# Altium PCB Shaheen.PcbDoc (part 4 of 4) (continued)
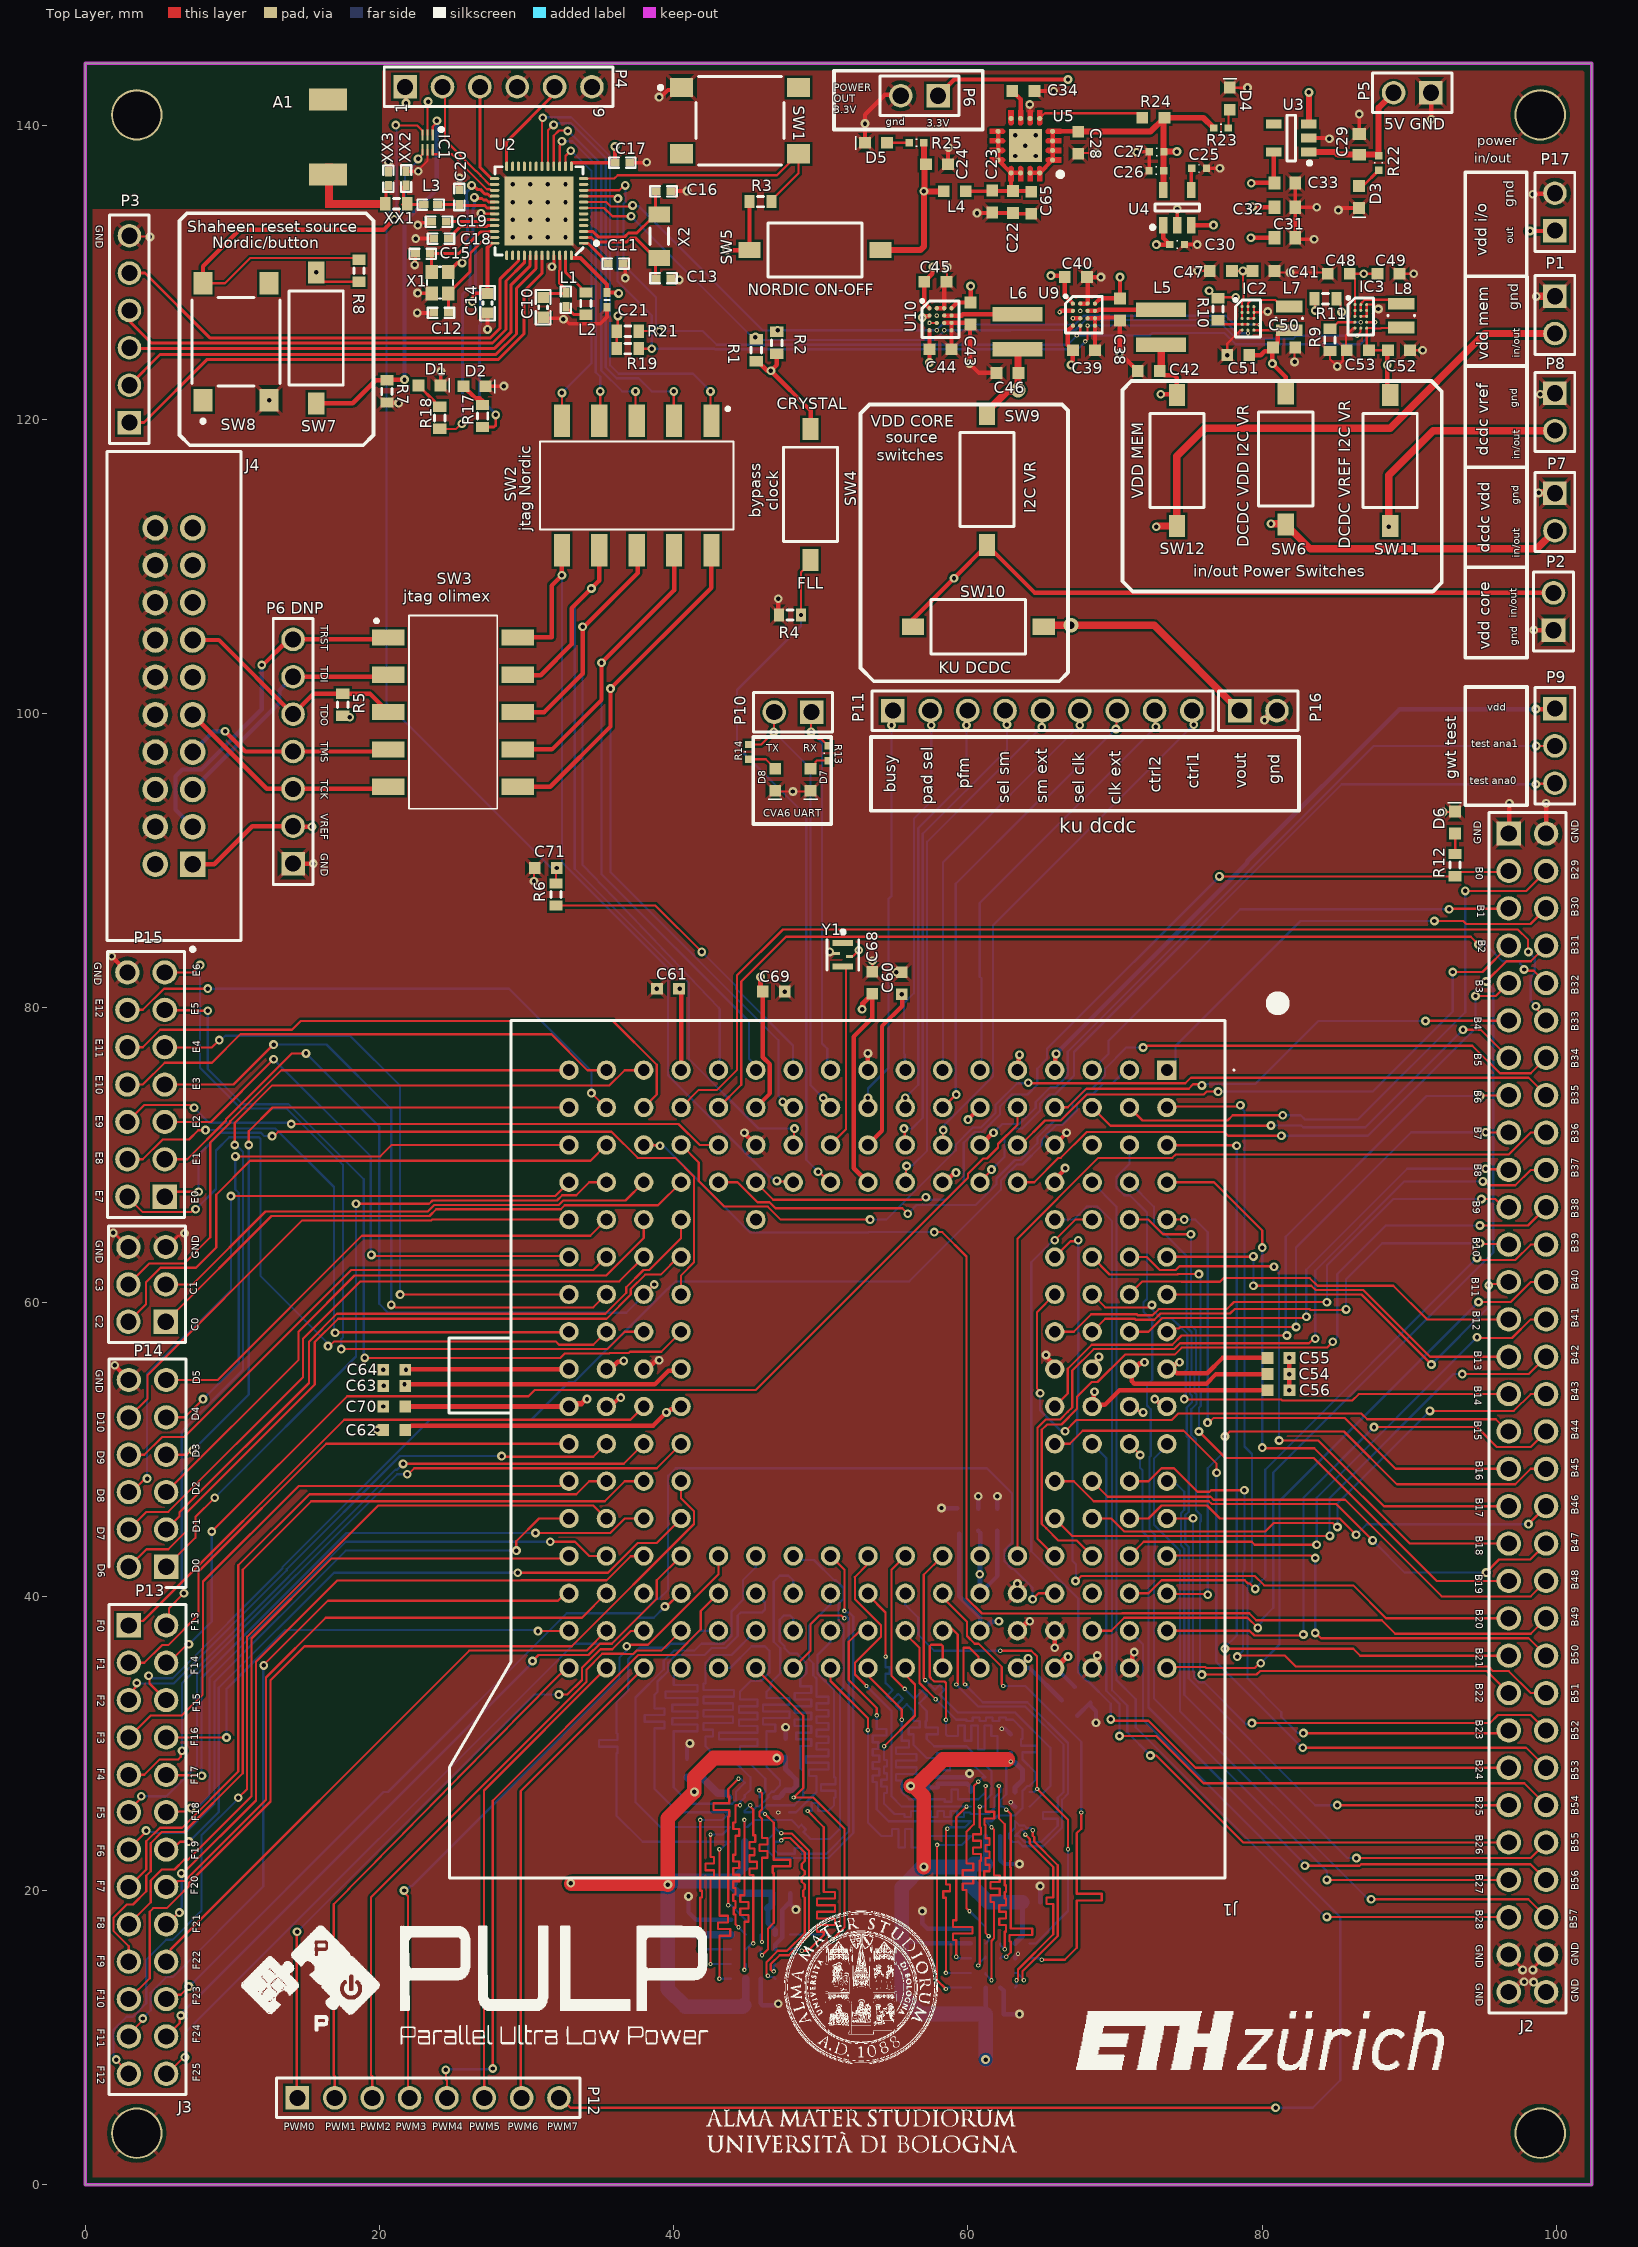
[diagram p0: Top Layer view]
## Nets (pads, with @x,y where several pads share a name; then routed paths per layer and width w, separated by ;. In a path a pad name is that pad's centre, name@x,y a point inside that pad or via, vN(x,y) a via of type N, cw(c..) or ccw(c..) an arc to the next point about the centre after c; other vN are vias at no path point) (continued)
  Bottom Layer w0.5: 39.6,16.7 40.145,17.245 40.97,17.245 C8.2@41,17.275 41.275,17 U8.E4@43.9,17 ; v1(41.4,26.7) 41.4,27.2 C5.2@40.9,27.7 41.9,27.7 43,26.6 43.54,26.6 ; 43.917,20.305 44.421,19.8 C9.2@46.675,19.8 46.675,19.075 46.4,18.8 ; 43.917,20.642 C4.2@44.675,21.4 44.825,21.55 U7.D1@44.825,23.316 ; C7.2@44.9,12.325 U8.D1@44.9,14 ; v1(56.1,27.1) 57.2,27.1 C35.2@57.3,27
  Bottom Layer w1: 43.917,20.642 39.842,20.642 v1(39.6,20.4) 39.6,16.7 39.6,13.3 40.8,12.1 44.675,12.1 C7.2@44.775,12.2 ; 60.376,21.8 C37.2@61.2,21.8 ; C1.2@61.175,11.6 56.8,11.6 55.5,12.9 55.5,20.2 56.9,21.6 v1(57,21.6) 60.1,21.6 60.1,20.474 61.374,19.2 C3.2@63.675,19.2 ; v1(61.2,8.5) C1.2@61.2,11.575
  other v1: 55.504,80.914
  other v2: 67.632,127.368
  other v4: 57.881,127.054
VDD_3V3: C26.1 C27.2 C28.1 C38.2 C40.1 C41.2 C43.2 C45.1 C47.2 C48.2 C49.2 IC2.A1 IC2.B1 IC2.C1 IC3.A1 IC3.B1 IC3.C1 P6.1 R23.1 R24.2 U4.5 U5.1 U5.2 U5.3 U5.4 U5.15 U5.16 U9.A1 U9.A4 U10.A1 U10.A4 | length 52.2
  Top Layer w0.15: v1@57.569,130.291 v1(57.631,130.354) ; C43.2@60.174,127.941 C43.2@60.181,127.948 ; C40.1@66.482,129.768 C40.1@66.582,129.668 ; C28.1@67.475,139.575 C28.1@67.5,139.55 ; R24.2@73.287,140.437 R24.2@73.35,140.5 ; C27.2@73.322,138.181 C27.2@73.342,138.2 ; C47.2@77.94,130.09 v1(78.69,130.09) ; IC2.C1@78.632,126.861 IC2.B1@78.632,127.261 IC2.A1@78.632,127.661 ; IC2.A1@78.632,127.661 78.632,127.99 78.725,128.083 78.725,128.965 78.69,129 v1(78.69,130.09) ; C41.2@79.34,130.09 v1(78.69,130.09) ; IC3.C1@86.3,127 IC3.B1@86.3,127.4 IC3.A1@86.3,127.8 86.3,129.55 C48.2@85.95,129.9 v1(86.9,129.9) C49.2@87.83,129.9
  Top Layer w0.254: C27.2@73.3,138.159 C27.2@73.322,138.181
  Top Layer w0.3: U10.A1@57.381,127.554 57.031,127.904 C45.1@57.031,129.354 57.569,129.891 v1@57.569,130.291 ; P6.1@57.97,142 59.07,143.1 v1(66.8,143.1) ; U10.A4@58.881,127.554 59.269,127.941 C43.2@60.174,127.941 ; C43.2@60.181,127.948 v1(60.181,129.054) ; U5.15@64.225,136.75 U5.16@64.875,136.75 U5.1@65.75,137.625 U5.2@65.75,138.275 U5.3@65.75,138.925 U5.4@65.75,139.575 C28.1@67.475,139.575 ; v1(65.632,129.768) C40.1@66.482,129.768 ; C40.1@66.582,129.668 66.582,128.418 U9.A1@67.132,127.868 ; U9.A4@68.632,127.868 68.982,128.218 C38.2@70.332,128.218 v1(70.332,129.668)
  Top Layer w0.406: C28.1@67.5,139.55 72.4,139.55 73.287,140.437 C27.2@73.287,138.181 ; U4.5@73.288,135.607 C26.1@73.288,136.888 ; C26.1@73.3,136.9 C27.2@73.3,138.159 ; C27.2@73.342,138.2 73.351,138.19 74.19,138.19 v1(74.2,138.2) ; R24.2@73.35,140.5 76,140.5 R23.1@76.7,139.8
VDD_3V7: C30.2 C31.2 C32.2 C33.2 U3.5 U4.1 U4.3 | length 10.7
  Top Layer w0.3: U4.1@73.277,133.196 73.277,132.319 C30.2@73.716,131.88
  Top Layer w0.305: v1(72.808,131.88) C30.2@73.716,131.88 ; U4.3@75.177,133.196 75.183,133.202 v1(76.691,133.202) v1@76.685,133.196 ; v1(79.231,132.339) C31.2@80.842,132.339 ; v1(79.256,136.047) 79.282,136.072 C33.2@80.842,136.072 ; v1(79.332,134.447) 79.358,134.447 79.383,134.421 C32.2@80.842,134.421 ; C33.2@80.774,136.141 U3.5@80.774,138.17
VDD_CORE: C66.2 C67.1 C68.1 C69.1 C70.1 J1.A10 J1.F2 J1.J4 J1.M16 J1.N17 P2.2 SW9.1 SW10.1 | length 98.3
  Top Layer w0.15: J1.A10@32.88,52.9 J1.A10@33.103,53.123 ; C69.1@45.9,81.25 C69.1@46.05,81.1
  Top Layer w0.3: J1.F2@45.58,73.22 46.538,74.178 46.538,76.157 46.05,76.645 C69.1@46.05,81.1 ; J1.J4@53.2,68.14 52.242,69.098 52.242,78.042 53.5,79.3 C68.1@53.5,80.95 ; SW10.1@56.25,105.9 56.25,106.4 v1(59.05,109.2) SW9.1@61.3,111.45 64.55,108.2 P2.2@99.8,108.2
  Top Layer w0.35: C70.1@21.75,52.9 J1.A10@32.88,52.9 ; J1.A10@33.103,53.123 33.141,53.085 33.717,53.085 34.032,53.4 v1(34.1,53.4) ; C69.1@45.9,81.25 v1(45.9,82.1) ; v1(52.8,79.9) 52.848,79.948 52.848,80.298 C68.1@53.5,80.95
  Bottom Layer w0.15: J1.M16@60.82,37.66 60.993,37.833 J1.M16@61.134,37.833 ; v1@62.074,38.274 v1(62.1,38.3) ; J1.N17@63.36,35.12 J1.N17@63.394,35.12 ; v1@64.049,35.775 v1(64.083,35.775)
  Bottom Layer w0.3: C66.2@59.4,44.25 59.4,40 60.82,38.58 J1.M16@60.82,37.66 ; J1.M16@61.134,37.833 61.575,38.274 v1@62.074,38.274 ; v1@64.049,35.775 63.394,35.12 64.18,35.12 C67.1@66.37,32.93
VDD_MEM: C54.1 C62.2 J1.D10 J1.S9 P1.2 SW12.2 | length 66.4
  Top Layer w0.15: J1.S9@70.98,55.44 J1.S9@71.296,55.44 ; v1@71.914,55.814 v1(72,55.9)
  Top Layer w0.3: C62.2@21.75,51.3 22,51.55 22.126,51.55 22.176,51.6 38.6,51.6 v1(39.5,52.5) 39.581,52.5 39.787,52.706 40.306,52.706 J1.D10@40.5,52.9 ; J1.S9@70.98,55.44 71.133,55.287 71.133,54.626 71.308,54.45 76.211,54.45 76.861,55.1 C54.1@80.35,55.1
  Top Layer w0.35: J1.S9@71.296,55.44 71.669,55.814 v1@71.914,55.814
  Top Layer w0.5: v1(72.8,112.7) 72.827,112.7 72.877,112.75 SW12.2@74.2,112.75 74.2,117.5 76.1,119.4 88.7,119.4 95.13,125.83 P1.2@99.9,125.83
VDD_NORDIC: C14.1 C17.1 C21.1 R3.2 SW5.2 U2.13 U2.36 U2.48 | length 18.4
  Top Layer w0.15: v1(36.255,128.561) 36.297,128.603 v1@36.297,128.622
  Top Layer w0.254: v1(26.3,128) 26.366,128.066 26.366,128.377 26.558,128.569 C14.1@27.339,128.569 27.339,131.678 U2.36@27.618,131.958 ; U2.13@33.079,137.444 C17.1@36.008,137.444 36.008,138.579 36,138.571 v1(36,138.546) ; U2.48@33.13,130.967 33.663,130.967 35.467,129.164 C21.1@35.467,128.622 v1@36.297,128.622
  Top Layer w0.3: v1(43.6,131.5) SW5.2@45.15,131.5 R3.2@45.15,134.8
VR_KU_DCDC_VDD: C50.1 C51.1 IC2.E3 L7.2 SW6.1 | length 9.3
  Top Layer w0.15: IC2.E3@79.432,126.061 81.39,126.061 L7.2@81.832,126.061 L7.2@81.911,125.982 ; C50.1@80.688,124.838 80.69,124.84 C50.1@80.74,124.89
  Top Layer w0.3: C51.1@79.118,124.364 79.897,124.364 80.173,124.64 80.49,124.64 C50.1@80.688,124.838 ; C50.1@80.69,124.84 v1(80.69,123.79) 81.6,122.88 SW6.1@81.6,121.75 ; C50.1@80.74,124.89 81.065,125.215 81.065,125.736 L7.2@81.39,126.061
VR_KU_DCDC_VREF: C52.1 C53.1 IC3.E3 L8.2 SW11.1 | length 8.4
  Top Layer w0.15: C52.1@88.5,124.65 C52.1@88.55,124.7 C53.1@87.25,124.7 87.1,124.85 IC3.E3@87.1,126.2 87.466,126.2 87.491,126.175 88.046,126.175 88.071,126.2 89.4,126.2 L8.2@89.45,126.25
  Top Layer w0.3: C52.1@88.5,124.65 v1(88.5,123.7) 88.5,121.85 SW11.1@88.7,121.65
VR_VDD_CORE: C46.1 L6.1 SW9.2 U10.B1 | length 6.1
  Top Layer w0.3: v1(56.886,126.915) 56.968,126.915 57.066,127.013 57.34,127.013 U10.B1@57.381,127.054 ; L6.1@63.381,124.769 L6.1@63.4,124.75 ; C46.1@63.4,123.185 C46.1@63.431,123.154
  Top Layer w0.5: SW9.2@61.3,120.35 61.3,120.55 62.691,121.941 63.206,121.941 v3@63.265,122 ; v3(63.4,122) 63.4,123.185 L6.1@63.4,124.75
VR_VDD_MEM: C42.1 L5.1 SW12.1 U9.B1 | length 6.4
  Top Layer w0.15: C42.1@73.132,123.382 C42.1@73.04,123.29 C42.1@73.33,123 ; SW12.1@74.15,121.7 SW12.1@74.2,121.65
  Top Layer w0.3: v2(66.23,127.29) 66.309,127.368 U9.B1@67.132,127.368 ; v1(73.1,121.7) SW12.1@74.15,121.7 ; C42.1@73.33,123 74.024,123 74.2,122.824 SW12.1@74.2,121.65
  Top Layer w0.5: C42.1@73.132,123.382 L5.1@73.132,125.083
XC1: C15.1 U2.34 X1.1 | length 6.2
  Top Layer w0.203: X1.1@23.536,130.016 23.536,131.272 25.383,131.272 26.849,132.738 27.421,132.738 27.449,132.766 27.817,132.766 U2.34@27.819,132.767
XC2: C12.1 U2.35 X1.3 | length 6.8
  Top Layer w0.203: C12.1@24.686,127.233 24.686,128.565 26.163,130.042 26.163,130.865 26.145,130.883 26.145,131.272 27.24,132.367 U2.35@27.819,132.367
pads on no net: J1.C15 J1.F5 J1.R3 J1.R15 J4.2 J4.11 J4.15 J4.17 J4.19 SW1.2 SW1.3 SW8.1 SW8.4 U1.A2 U1.A5 U1.B5 U1.C2 U1.C5 U2.4 U2.5 U2.6 U2.11 U2.19 U2.20 U2.21 U2.22 U2.23 U2.44 U3.4 U5.8 U6.A2 U6.A5 U6.B5 U6.C2 U6.C5 U7.A2 U7.A5 U7.B5 U7.C2 U7.C5 U8.A2 U8.A5 U8.B5 U8.C2 U8.C5 Y1.1

## Polygon pours and split planes (outlines as drawn)
GND on Bottom Layer "0.5" (solid, remove dead copper, pour order 8): 20.049,144.2 102.398,144.2 102.398,0 0,0 0,134.264 20.049,134.264
GND on Top Layer "Bottom Layer-No Net" (solid, remove dead copper, pour order 9): 20.199,144.2 102.548,144.2 102.548,0 0.15,0 0.15,134.263 20.199,134.263
VDD_CORE on POWER (split plane): 65.102,113.485 46.308,94.692 46.28,94.65 46.271,94.6 46.271,76.778 46.28,76.729 46.308,76.687 46.871,76.125 46.871,69.5 46.88,69.45 46.908,69.408 46.95,69.38 47,69.371 54.546,69.371 54.571,69.346 54.571,65.754 54.546,65.73 48.2,65.73 48.15,65.72 48.108,65.692 38.908,56.492 38.88,56.45 38.871,56.4 38.871,51.556 38.88,51.506 38.908,51.464 38.95,51.436 39,51.426 59.871,51.426 59.871,39.9 59.88,39.85 59.908,39.808 60.908,38.808 60.95,38.78 61,38.771 64.471,38.771 64.471,34.03 62.93,34.03 62.93,35.1 62.92,35.15 62.892,35.192 60.33,37.754 60.33,38.6 60.32,38.65 60.292,38.692 59.23,39.754 59.23,43.6 59.22,43.65 59.192,43.692 54.392,48.492 54.35,48.52 54.3,48.53 36.93,48.53 36.93,51.2 36.92,51.25 36.892,51.292 36.85,51.32 36.8,51.33 31.854,51.33 31.63,51.554 31.63,53.046 41.806,63.223 41.834,63.265 41.844,63.314 41.844,96.729 58.223,113.108 58.251,113.15 58.261,113.2 58.261,117.533 65.102,117.533
GND on POWER (split plane): 58.971,43.546 58.971,39.7 58.98,39.65 59.008,39.608 60.071,38.546 60.071,37.7 60.08,37.65 60.108,37.608 62.671,35.046 62.671,33.9 62.68,33.85 62.708,33.808 62.75,33.78 62.8,33.771 64.546,33.771 69.271,29.046 69.271,12.754 66.246,9.73 40.454,9.73 33.93,16.254 33.93,32.946 45.554,44.571 57.946,44.571
VDD_1V8 on POWER (split plane): 101.887,0.51 0.51,0.51 0.51,143.689 19.919,143.689 19.919,129.951 19.929,129.902 19.957,129.86 22.308,127.508 22.35,127.48 22.4,127.471 48.696,127.471 48.746,127.48 48.788,127.508 49.89,128.61 49.918,128.652 49.928,128.702 49.928,141.1 49.918,141.15 49.89,141.192 49.848,141.22 49.798,141.23 20.178,141.23 20.178,143.689 63.887,143.69 63.887,132.464 57,132.464 56.935,132.455 56.874,132.43 56.822,132.39 56.782,132.338 56.756,132.277 56.748,132.212 56.748,128.849 56.748,128.848 56.752,128.816 56.756,128.784 56.757,128.784 56.757,128.783 56.769,128.753 56.782,128.723 56.782,128.722 56.802,128.697 56.822,128.671 56.823,128.67 56.848,128.651 56.874,128.631 56.875,128.631 56.875,128.63 56.905,128.618 56.935,128.606 56.936,128.605 56.968,128.601 57,128.597 57.001,128.597 64.14,128.637 73.411,128.637 73.476,128.645 73.48,128.647 93.299,128.647 93.364,128.656 93.425,128.681 93.478,128.721 93.478,128.722 93.518,128.774 93.544,128.835 93.552,128.9 93.552,133.896 93.552,143.69 101.887,143.69
VR_VDD_CORE on POWER (split plane): 65.102,117.792 58.261,117.792 58.261,125.235 58.251,125.285 58.223,125.327 58.181,125.355 58.131,125.365 56.63,125.365 56.63,127.225 57.354,127.225 57.354,126.657 57.364,126.607 57.392,126.565 57.434,126.537 57.484,126.527 58.255,126.527 58.305,126.537 58.347,126.565 58.375,126.607 58.385,126.657 58.385,127.919 65.102,127.919
VDD_NORDIC on POWER (split plane): 49.669,128.756 48.642,127.73 22.454,127.73 20.178,130.005 20.178,140.971 49.669,140.971
VDD_MEM on POWER (split plane): 75.86,109.185 59.408,92.734 59.38,92.692 59.371,92.642 59.371,74.9 59.371,72 59.38,71.95 59.408,71.908 59.908,71.408 59.95,71.38 60,71.371 62.1,71.371 62.15,71.38 62.171,71.394 62.171,57.054 62.108,56.992 62.08,56.95 62.071,56.9 62.08,56.85 62.108,56.808 62.15,56.78 62.2,56.771 72.246,56.771 72.371,56.646 72.371,54.43 62.8,54.43 62.75,54.42 62.708,54.392 60.002,51.685 39.13,51.685 39.13,54.078 58.707,54.078 58.757,54.088 58.799,54.116 59.892,55.208 59.92,55.25 59.93,55.3 59.93,65.746 59.992,65.808 60.02,65.85 60.03,65.9 60.03,70.102 60.02,70.152 59.992,70.194 57.63,72.556 57.63,94.546 71.292,108.208 71.32,108.25 71.33,108.3 71.33,116.915 75.86,116.915
KU_DCDC_VOUT on POWER (split plane): 71.071,117.546 71.071,108.354 57.408,94.692 57.38,94.65 57.371,94.6 57.371,72.502 57.38,72.453 57.408,72.411 59.771,70.049 59.771,65.954 59.746,65.93 56.63,65.93 56.63,70.985 56.62,71.034 56.592,71.076 54.93,72.738 54.93,97.746 67.994,110.811 68.022,110.853 68.032,110.902 68.032,117.671 70.946,117.671
KU_DCDC_VDD on POWER (split plane): 83.06,109.743 62.208,88.892 62.18,88.85 62.171,88.8 62.171,74.8 62.171,71.754 62.046,71.63 60.054,71.63 59.63,72.054 59.63,74.9 59.63,92.588 76.081,109.04 76.109,109.082 76.119,109.132 76.119,116.915 83.06,116.915
VR_VDD_MEM on POWER (split plane): 75.86,121.44 75.86,117.174 71.33,117.174 71.33,117.6 71.32,117.65 71.292,117.692 71.091,117.892 71.049,117.92 70.999,117.93 68.032,117.93 68.032,121.602 68.032,125.625 68.022,125.675 67.994,125.717 67.952,125.745 67.902,125.755 65.979,125.755 65.974,125.76 65.974,127.484 67.257,127.484 67.257,127.118 67.267,127.069 67.295,127.027 67.337,126.999 67.386,126.989 68.095,126.989 68.145,126.999 68.187,127.027 68.215,127.069 68.224,127.118 68.224,127.571 75.86,127.571
KU_DCDC_VREF on POWER (split plane): 91.371,112.154 64.808,85.592 64.78,85.55 64.771,85.5 64.771,77.2 64.771,74.854 64.315,74.398 62.43,74.398 62.43,74.8 62.43,88.746 83.281,109.598 83.309,109.64 83.319,109.69 83.319,116.915 91.371,116.915
VR_KU_DCDC_VREF on POWER (split plane): 91.371,121.39 91.371,117.174 83.319,117.174 83.319,121.544 83.319,126.76 91.371,126.76
VR_KU_DCDC_VDD on POWER (split plane): 83.06,121.544 83.06,117.174 76.119,117.174 76.119,121.44 76.119,126.76 83.06,126.76
VDD_3V3 on POWER (split plane): 78.748,137.3 76.396,134.948 72.7,134.948 72.635,134.94 72.574,134.914 72.522,134.874 71.122,133.474 71.082,133.422 71.056,133.361 71.048,133.296 71.048,130.8 71.056,130.735 71.082,130.674 71.122,130.622 71.174,130.582 71.235,130.556 71.3,130.548 93.048,130.548 93.048,129.151 72.44,129.151 72.374,129.143 72.37,129.141 64.139,129.141 64.138,129.141 57.252,129.103 57.252,131.959 64.139,131.959 64.204,131.968 64.265,131.993 64.317,132.033 64.357,132.086 64.383,132.146 64.391,132.212 64.391,143.69 78.748,143.69
VDD_3V7 on POWER (split plane): 81.622,143.074 81.611,143.061 81.582,143.022 81.556,142.961 81.551,142.922 81.548,142.896 81.548,138.475 81.556,138.41 81.582,138.349 81.622,138.296 83.748,136.17 83.748,135.496 83.756,135.431 83.782,135.37 83.822,135.318 84.022,135.118 84.074,135.078 84.135,135.052 84.2,135.044 89.596,135.044 90.922,133.718 90.974,133.678 91.035,133.652 91.1,133.644 93.048,133.644 93.048,131.052 71.552,131.052 71.552,133.192 72.804,134.444 76.5,134.444 76.565,134.452 76.626,134.478 76.678,134.518 79.178,137.018 79.201,137.047 79.218,137.07 79.226,137.088 79.244,137.131 79.252,137.196 79.252,143.69 82.237,143.69
VCC_5 on POWER (split plane): 93.048,134.148 91.204,134.148 89.878,135.474 89.826,135.514 89.765,135.54 89.7,135.548 84.304,135.548 84.252,135.6 84.252,136.275 84.244,136.34 84.218,136.401 84.178,136.453 82.052,138.579 82.052,142.792 82.878,143.618 82.918,143.67 82.927,143.69 93.048,143.69
GND on GND1 (split plane): 101.887,0.51 0.51,0.51 0.51,134.263 20.049,134.263 20.049,143.689 101.887,143.69

## Keep-outs
Keep-Out Layer:
  the board outline again, w0.254

## Other copper
Top Layer:
  pour cut-out: 20.049,144.2 20.049,134.264 0,134.264 0,144.2
  pour cut-out: 20.049,144.2 20.049,134.264 0,134.264 0,144.2
  pour cut-out: 20.049,144.2 20.049,134.264 0,134.264 0,144.2
  region net NetA1_1: 16.823,134.401 16.823,137.388 16.323,137.389 16.323,134.401
  region net NetA1_1: 16.324,134.396 20.074,134.396 20.074,134.896 16.324,134.896
Bottom Layer:
  pour cut-out: 20.049,144.2 20.049,134.264 0,134.264 0,144.2
GND1 (plane layer: these items are gaps in the copper):
  pour cut-out: 20.049,143.737 20.049,134.263 0.5,134.263 0.5,143.737
  lines w0.254: 36.34,128.579 36.406,128.579
POWER (plane layer: these items are gaps in the copper):
  lines w0.254: 20.049,144.2 20.049,129.951 22.4,127.6 48.696,127.6 49.798,128.702 49.798,141.1 20.115,141.1 ; 39.038,54.207 58.707,54.207 59.8,55.3 59.8,65.8 ; 58,44.7 45.5,44.7 33.8,33 33.8,16.2 40.4,9.6 66.3,9.6 69.4,12.7 69.4,29.1 64.6,33.9 ; 58.131,117.662 65.231,117.662 ; 60,51.5 60,39.9 61,38.9 64.6,38.9 64.6,33.9 ; 60.056,51.556 62.8,54.3 72.5,54.3 72.5,56.7 72.3,56.9 62.2,56.9 62.3,57 62.3,71.7 ; 60.144,51.556 39,51.556 39,56.4 48.2,65.6 54.6,65.6 54.7,65.7 54.7,69.4 54.6,69.5 47,69.5 47,76.178 46.4,76.778 46.4,94.6 65.231,113.431 65.231,128.054 ; 62.415,74.268 64.368,74.268 64.9,74.8 64.9,77.2 64.9,85.5 91.5,112.1 91.5,121.39 91.5,126.89 83.19,126.89 ; 64.139,144.161 64.178,144.2 ; 65.226,128.049 58.255,128.049 58.255,126.657 57.484,126.657 57.484,127.354 56.5,127.354 56.5,125.235 58.131,125.235 58.131,113.2 41.714,96.783 41.714,63.314 31.5,53.1 31.5,51.5 31.8,51.2 36.8,51.2 36.8,48.4 54.3,48.4 59.1,43.6 59.1,39.7 60.2,38.6 60.2,37.7 62.8,35.1 62.8,33.9 64.6,33.9 ; 68.024,117.801 70.999,117.801 71.2,117.6 71.2,108.3 57.5,94.6 57.5,72.502 59.9,70.102 59.9,65.9 59.8,65.8 ; 71.244,117.044 75.99,117.044 83.125,117.044 91.444,117.044 ; 75.995,126.89 83.19,126.89 ; 59.8,65.8 56.5,65.8 56.5,70.985 54.8,72.685 54.8,97.8 67.902,110.902 67.902,121.602 67.902,125.625 65.925,125.625 65.844,125.706 65.844,127.614 67.386,127.614 67.386,127.118 68.095,127.118 68.095,127.7 75.99,127.7 75.99,121.44 75.99,109.132 59.5,92.642 59.5,74.9 59.5,72 60,71.5 62.1,71.5 62.3,71.7 ; 62.3,71.7 62.3,74.8 62.3,88.8 83.19,109.69 83.19,121.544 83.19,126.89
  lines w0.5: 64.139,144.161 64.139,132.212 57,132.212 57,128.849 64.139,128.889 73.411,128.889 ; 72.44,128.899 93.299,128.899 93.3,128.9 93.3,133.896 ; 79,144.201 79,137.196 76.5,134.696 72.7,134.696 71.3,133.296 71.3,130.8 93.186,130.8 ; 82.7,143.796 81.8,142.896 81.8,138.475 84,136.275 84,135.496 84.2,135.296 89.7,135.296 91.1,133.896 93.3,133.896 ; 93.3,144.188 93.3,133.896

## Silkscreen, mask and mechanical layers (free items; w line width, h text height)
Top Overlay:
  drawing of 2398 lines, arcs and shapes, not listed
  text "POWER / OUT / 3.3V" at 50.871,140.8 h0.5
  text "gnd" at 54.4,140 h0.5
  text "3.3V" at 57.2,139.9 h0.5
  text "5V GND" at 88.3,139.7 h0.76
  text "power" at 94.627,138.644 h0.65
  text "in/out" at 94.427,137.427 h0.65
  text "gnd" at 97.1,134.4 h0.7 r90
  text "GND" at 0.7,133.2 h0.5 r270
  text "Shaheen reset source" at 6.927,132.727 h0.76
  text "out" at 97.05,131.95 h0.5 r90
  text "Nordic/button" at 8.627,131.627 h0.76
  text "vdd i/o" at 95.275,131.1 h0.76 r90
  text "NORDIC ON-OFF" at 45.027,128.427 h0.76
  text "gnd" at 97.4,127.4 h0.7 r90
  text "in/out" at 97.5,124.2 h0.5 r90
  text "vdd mem" at 95.373,124.027 h0.76 r90
  text "gnd" at 97.333,120.8 h0.5 r90
  text "CRYSTAL" at 47,120.7 h0.76
  text "VDD CORE" at 53.4,119.5 h0.76
  text "source" at 54.4,118.4 h0.76
  text "dcdc vref" at 95.373,117.527 h0.76 r90
  text "in/out" at 97.5,117.3 h0.5 r90
  text "switches" at 53.8,117.2 h0.76
  text "VDD MEM" at 71.9,114.6 h0.76 r90
  text "gnd" at 97.433,114.2 h0.5 r90
  text "clock" at 47.1,113.8 h0.76 r90
  text "I2C VR" at 64.6,113.6 h0.76 r90
  text "bypass" at 45.9,113.3 h0.76 r90
  text "jtag Nordic" at 30.279,112.392 h0.76 r90
  text "DCDC VDD I2C VR" at 79.1,111.3 h0.76 r90
  text "DCDC VREF I2C VR" at 86,111.2 h0.76 r90
  text "dcdc vdd" at 95.473,110.927 h0.76 r90
  text "in/out" at 97.5,110.6 h0.5 r90
  text "in/out Power Switches" at 75.3,109.3 h0.76
  text "FLL" at 48.4,108.5 h0.76
  text "jtag olimex" at 21.6,107.6 h0.76
  text "in/out" at 97.3,106.5 h0.5 r90
  text "TRST" at 16,106 h0.5 r270
  text "gnd" at 97.333,104.6 h0.5 r90
  text "vdd core" at 95.473,104.327 h0.76 r90
  text "TDI" at 16,103.2 h0.5 r270
  text "KU DCDC" at 58.027,102.727 h0.76
  text "TDO" at 16,100.6 h0.5 r270
  text "vdd" at 95.3,100.2 h0.5
  text "TMS" at 16,98.1 h0.5 r270
  text "test ana1" at 94.2,97.7 h0.5
  text "TX" at 46.3,97.4 h0.5
  text "RX" at 48.8,97.4 h0.5
  text "gwt test" at 93.199,95.527 h0.76 r90
  text "TCK" at 16,95.5 h0.5 r270
  text "gnd" at 81.2,95.2 h0.8 r90
  text "test ana0" at 94.1,95.2 h0.5
  text "pfm" at 60.1,94.9 h0.8 r90
  text "ctrl1" at 75.7,94.9 h0.8 r90
  text "vout" at 78.9,94.9 h0.8 r90
  text "busy" at 55.1,94.6 h0.8 r90
  text "ctrl2" at 73.1,94.6 h0.8 r90
  text "sel sm" at 62.8,93.9 h0.8 r90
  text "sm ext" at 65.4,93.9 h0.8 r90
  text "sel clk" at 67.9,93.9 h0.8 r90
  text "pad sel" at 57.6,93.8 h0.8 r90
  text "clk ext" at 70.4,93.8 h0.8 r90
  text "VREF" at 16,93.2 h0.5 r270
  text "CVA6 UART" at 46.1,93 h0.5
  text "ku dcdc" at 66.2,91.9 h1
  text "GND" at 101.5,91.2 h0.5 r90
  text "GND" at 94.9,91.1 h0.5 r90
  text "GND" at 16,90.5 h0.5 r270
  text "B0" at 94.5,89.6 h0.5 r270
  text "B29" at 101.5,88.7 h0.5 r90
  text "B1" at 94.6,87 h0.5 r270
  text "B30" at 101.5,86.2 h0.5 r90
  text "B2" at 94.685,84.639 h0.5 r270
  text "B31" at 101.5,83.6 h0.5 r90
  text "GND" at 0.6,83.1 h0.5 r270
  text "E6" at 7.8,82.1 h0.5 r90
  text "B3" at 94.5,81.9 h0.5 r270
  text "B32" at 101.5,80.9 h0.5 r90
  text "E12" at 0.7,80.6 h0.5 r270
  text "E5" at 7.7,79.5 h0.5 r90
  text "B4" at 94.4,79.4 h0.5 r270
  text "B33" at 101.5,78.4 h0.5 r90
  text "E11" at 0.7,77.9 h0.5 r270
  text "E4" at 7.8,76.9 h0.5 r90
  text "B5" at 94.4,76.9 h0.5 r270
  text "B34" at 101.5,75.9 h0.5 r90
  text "E10" at 0.7,75.4 h0.5 r270
  text "E3" at 7.8,74.4 h0.5 r90
  text "B6" at 94.4,74.4 h0.5 r270
  text "B35" at 101.5,73.4 h0.5 r90
  text "E9" at 0.7,72.7 h0.5 r270
  text "B7" at 94.4,71.9 h0.5 r270
  text "E2" at 7.8,71.8 h0.5 r90
  text "B36" at 101.5,70.8 h0.5 r90
  text "E8" at 0.7,70.2 h0.5 r270
  text "B8" at 94.4,69.4 h0.5 r270
  text "E1" at 7.8,69.3 h0.5 r90
  text "B37" at 101.5,68.438 h0.5 r90
  text "E7" at 0.7,67.6 h0.5 r270
  text "B9" at 94.316,66.9 h0.5 r270
  text "E0" at 7.729,66.671 h0.5 r90
  text "B38" at 101.5,65.7 h0.5 r90
  text "B10" at 94.3,64.4 h0.5 r270
  text "GND" at 0.7,64.2 h0.5 r270
  text "B39" at 101.5,63.338 h0.5 r90
  text "GND" at 7.745,62.944 h0.5 r90
  text "B11" at 94.241,61.699 h0.5 r270
  text "C3" at 0.7,61.6 h0.5 r270
  text "B40" at 101.5,60.838 h0.5 r90
  text "C1" at 7.6,60.5 h0.5 r90
  text "B12" at 94.307,59.407 h0.5 r270
  text "C2" at 0.7,59.1 h0.5 r270
  text "B41" at 101.5,58.238 h0.5 r90
  text "C0" at 7.7,58 h0.5 r90
  text "B13" at 94.4,56.7 h0.5 r270
  text "B42" at 101.5,55.738 h0.5 r90
  text "GND" at 0.7,55.4 h0.5 r270
  text "D5" at 7.8,54.4 h0.5 r90
  text "B14" at 94.4,54.3 h0.5 r270
  text "B43" at 101.5,53.238 h0.5 r90
  text "D10" at 0.8,52.5 h0.5 r270
  text "D4" at 7.749,51.933 h0.5 r90
  text "B15" at 94.425,51.925 h0.5 r270
  text "B44" at 101.5,50.638 h0.5 r90
  text "D9" at 0.8,49.9 h0.5 r270
  text "D3" at 7.794,49.414 h0.5 r90
  text "B16" at 94.5,49.2 h0.5 r270
  text "B45" at 101.5,48.038 h0.5 r90
  text "D8" at 0.8,47.3 h0.5 r270
  text "D2" at 7.795,46.875 h0.5 r90
  text "B17" at 94.5,46.7 h0.5 r270
  text "B46" at 101.5,45.538 h0.5 r90
  text "D7" at 0.8,44.733 h0.5 r270
  text "D1" at 7.8,44.3 h0.5 r90
  text "B18" at 94.5,44.1 h0.5 r270
  text "B47" at 101.5,43 h0.5 r90
  text "D6" at 0.835,42.211 h0.5 r270
  text "D0" at 7.765,41.59 h0.5 r90
  text "B19" at 94.466,41.505 h0.5 r270
  text "B48" at 101.5,40.438 h0.5 r90
  text "B20" at 94.5,39.1 h0.5 r270
  text "F0" at 0.8,38.4 h0.5 r270
  text "B49" at 101.5,37.938 h0.5 r90
  text "F13" at 7.722,37.61 h0.5 r90
  text "B21" at 94.5,36.5 h0.5 r270
  text "F1" at 0.8,35.8 h0.5 r270
  text "B50" at 101.5,35.338 h0.5 r90
  text "F14" at 7.695,34.656 h0.5 r90
  text "B22" at 94.5,34.1 h0.5 r270
  text "F2" at 0.8,33.3 h0.5 r270
  text "B51" at 101.5,32.738 h0.5 r90
  text "F15" at 7.8,32.122 h0.5 r90
  text "B23" at 94.5,31.6 h0.5 r270
  text "F3" at 0.8,30.8 h0.5 r270
  text "B52" at 101.5,30.2 h0.5 r90
  text "F16" at 7.68,29.798 h0.5 r90
  text "B24" at 94.5,28.9 h0.5 r270
  text "F4" at 0.8,28.3 h0.5 r270
  text "B53" at 101.5,27.5 h0.5 r90
  text "F17" at 7.68,27.185 h0.5 r90
  text "B25" at 94.5,26.4 h0.5 r270
  text "F5" at 0.8,25.7 h0.5 r270
  text "B54" at 101.5,25.1 h0.5 r90
  text "F18" at 7.755,24.695 h0.5 r90
  text "B26" at 94.5,23.8 h0.5 r270
  text "F6" at 0.8,23.1 h0.5 r270
  text "B55" at 101.5,22.6 h0.5 r90
  text "F19" at 7.697,22.089 h0.5 r90
  text "B27" at 94.5,21.1 h0.5 r270
  text "F7" at 0.8,20.7 h0.5 r270
  text "B56" at 101.5,20 h0.5 r90
  text "F20" at 7.688,19.7 h0.5 r90
  text "B28" at 94.5,18.7 h0.5 r270
  text "F8" at 0.8,18.2 h0.5 r270
  text "B57" at 101.4,17.4 h0.5 r90
  text "F21" at 7.8,17.1 h0.5 r90
  text "GND" at 94.5,16.3 h0.5 r270
  text "F9" at 0.8,15.6 h0.5 r270
  text "GND" at 101.5,14.9 h0.5 r90
  text "F22" at 7.8,14.6 h0.5 r90
  text "GND" at 94.5,13.7 h0.5 r270
  text "F10" at 0.8,13.3 h0.5 r270
  text "GND" at 101.5,12.4 h0.5 r90
  text "F23" at 7.8,12.2 h0.5 r90
  text "F11" at 0.8,10.6 h0.5 r270
  text "F24" at 7.8,9.6 h0.5 r90
  text "F12" at 0.8,8.1 h0.5 r270
  text "F25" at 7.8,7 h0.5 r90
  text "PWM0" at 13.5,3.7 h0.5
  text "PWM1" at 16.3,3.7 h0.5
  text "PWM2" at 18.7,3.7 h0.5
  text "PWM3" at 21.1,3.7 h0.5
  text "PWM4" at 23.6,3.7 h0.5
  text "PWM5" at 26.1,3.7 h0.5
  text "PWM6" at 28.7,3.7 h0.5
  text "PWM7" at 31.4,3.7 h0.5
Mechanical 3:
  lines w0.254: 74.325,0 18.686,0 ; 18.686,0 101.9,0 101.9,2.1 101.9,143.928 0,143.928 0,0 18.686,0
Mechanical 4:
  the board outline again, w0

## Text inside footprints (layer, text, board x,y; h text height)
P4: Top Overlay "1" at 21.9,140.8 h0.76 r90; Top Overlay "6" at 35.3,140.5 h0.76 r90